# Allegro board 038RT-9068CJK8E-A100_0921_1.brd (continued)
## Routing (per net, layer and track width the routed paths; a pad name or vN(x,y) marks a point on that pad's centre or on a via; arc(x,y) is an arc through that point) (continued)
SG1_U1_FE_MDI-: length 114.1
  TOP w0.105: 640.03,121.29 640.03,120.5
  TOP w0.115: UNK1T13.9 641.07,119.46 640.03,120.5 ; v1(640.13,121.39) 640.03,121.29
  L07_SIGNAL w0.1: v1(604.4,208.62) 604.8,208.22 605.43,208.22 605.55,208.1 605.64,208.01 606.15,208.01 611.29,202.88 612.47,202.88 618.34,197 618.34,192.64 621.23,189.76 621.23,187.1 626.2,182.13 626.2,127.23 632.81,120.62 635.97,120.62 638.33,122.98 639.2,122.98 639.98,122.21 639.98,121.54 v1(640.13,121.39)
SG1_U1_FE_MDIX+: length 118.8
  TOP w0.105: 633.21,121.29 633.21,120.5
  TOP w0.115: UNK1T13.16 632.18,119.46 633.21,120.5 ; v1(633.12,121.39) 633.21,121.29
  L07_SIGNAL w0.1: v1(605.2,208.62) 605.41,208.84 606.91,208.84 610.43,205.32 619.37,205.32 627.74,196.95 627.74,130.79 630.16,128.37 637.12,128.37 637.59,127.9 637.59,124.4 636.76,123.56 636.14,123.56 636.04,123.66 636.04,123.73 635.94,123.83 635.74,123.83 635.64,123.73 635.64,123.66 635.54,123.56 635.34,123.56 635.24,123.66 635.24,123.73 635.14,123.83 634.94,123.83 634.84,123.73 634.84,123.66 634.74,123.56 634.33,123.56 633.26,122.49 633.26,121.54 v1(633.12,121.39)
SG1_U1_FE_MDIX-: length 118.8
  TOP w0.105: 633.68,121.29 633.68,120.5
  TOP w0.115: 633.68,120.5 634.72,119.46 UNK1T13.14 ; v1(633.78,121.39) 633.68,121.29
  L07_SIGNAL w0.1: v1(605.2,209.42) 605.41,209.2 607.06,209.2 610.58,205.68 619.52,205.68 628.11,197.1 628.11,130.94 630.31,128.73 637.27,128.73 637.96,128.05 637.96,124.25 636.91,123.2 634.48,123.2 633.63,122.34 633.63,121.54 v1(633.78,121.39)
SG1_U2_FE_MDI+: length 105.4
  TOP w0.105: 639.56,106.5 639.56,107.29
  TOP w0.115: v1(639.47,106.4) 639.56,106.5 ; UNK1T13.6 638.53,108.32 639.56,107.29
  L40_SIGNAL w0.1: v1(639.47,106.4) 639.61,106.55 639.61,107.06 640.1,107.55 644.35,107.55 648.41,103.49 648.41,78.78 643.39,73.76 643.39,34.54 645.24,32.7 653.9,32.7 655.27,34.07 655.27,36.09 655.65,36.46 656.21,36.46 v1(656.41,36.66)
  BOTTOM w0.105: UNK1U6.27 659.01,36.52 656.56,36.52 v1(656.41,36.66)
SG1_U2_FE_MDI-: length 105.4
  TOP w0.105: 640.03,106.5 640.03,107.29
  TOP w0.115: 640.03,107.29 641.07,108.32 UNK1T13.8 ; v1(640.13,106.4) 640.03,106.5
  L40_SIGNAL w0.1: v1(656.41,35.9) 656.21,36.1 655.8,36.1 655.64,35.94 655.64,35.32 655.74,35.22 655.96,35.22 656.06,35.12 656.06,34.92 655.96,34.82 655.74,34.82 655.64,34.72 655.64,33.92 654.05,32.34 645.09,32.34 643.03,34.39 643.03,73.91 648.05,78.93 648.05,103.33 644.19,107.19 640.25,107.19 639.98,106.91 639.98,106.55 v1(640.13,106.4)
  BOTTOM w0.105: v1(656.41,35.9) 656.56,36.05 659.01,36.05 UNK1U6.28
SG1_U2_FE_MDIX+: length 101.5
  TOP w0.105: 633.21,106.5 633.21,107.29
  TOP w0.115: 633.21,107.29 632.18,108.32 UNK1T13.1 ; v1(633.12,106.4) 633.21,106.5
  L40_SIGNAL w0.1: v1(656.41,39.66) 656.19,39.45 655.69,39.45 655.38,39.75 655.38,42.46 654.03,43.82 652.49,43.82 651.41,44.9 651.41,47.03 650.63,47.81 648.13,47.81 647.04,48.9 647.04,71.44 650.7,75.1 650.7,105.43 646.71,109.42 635.45,109.42 633.27,107.25 633.27,106.56 v1(633.12,106.4)
  BOTTOM w0.105: v1(656.41,39.66) 656.56,39.52 659.01,39.52 UNK1U6.21
SG1_U2_FE_MDIX-: length 101.5
  TOP w0.105: 633.68,106.5 633.68,107.29
  TOP w0.115: UNK1T13.3 634.72,108.32 633.68,107.29 ; v1(633.78,106.4) 633.68,106.5
  L40_SIGNAL w0.1: v1(633.78,106.4) 633.63,106.54 633.63,107.1 635.6,109.06 646.56,109.06 650.34,105.28 650.34,75.25 646.68,71.59 646.68,48.74 647.98,47.45 650.48,47.45 651.04,46.88 651.04,44.75 652.34,43.45 653.87,43.45 655.02,42.31 655.02,41.68 654.92,41.58 654.69,41.58 654.59,41.48 654.59,41.28 654.69,41.18 654.92,41.18 655.02,41.08 655.02,39.6 655.54,39.08 656.23,39.08 v1(656.41,38.9)
  BOTTOM w0.105: v1(656.41,38.9) 656.56,39.05 659.01,39.05 UNK1U6.22
SG1_U3_FE_MDI+: length 49.4
  BOTTOM w0.105: UNK1U6.39 651.3,37.02 649.9,37.02 648.83,35.94 648.83,33.96 655.46,27.33 662.93,27.33 663.99,28.38 663.99,33.9 664.31,34.22 666.2,34.22 666.38,34.04 666.38,28.21 667.27,27.33 674.63,27.33 675.58,28.28 675.58,29.2
  BOTTOM w0.115: UNK1CON3.1 675.58,29.2
SG1_U3_FE_MDI-: length 49.4
  BOTTOM w0.105: UNK1U6.38 651.3,36.55 650.1,36.55 649.29,35.75 649.29,34.15 655.65,27.79 662.74,27.79 663.52,28.57 663.52,34.09 664.12,34.68 666.4,34.68 666.84,34.23 666.84,28.41 667.46,27.79 674.44,27.79 675.12,28.47 675.12,30.09
  BOTTOM w0.115: UNK1CON3.2 673.94,30.12 674.21,30.38 674.83,30.38 675.12,30.09
SG1_U3_FE_MDIX+: length 48.5
  BOTTOM w0.105: UNK1U6.45 651.3,40.02 649.47,40.02 647.09,37.64 647.09,31.95 655.36,23.69 663.43,23.69 664.87,22.25 674.63,22.25 675.44,23.06 675.44,26.52
  BOTTOM w0.115: UNK1CON3.3 675.44,26.52
SG1_U3_FE_MDIX-: length 48.5
  BOTTOM w0.105: 674.98,24.83 674.98,23.25 674.44,22.71 665.06,22.71 663.62,24.15 655.55,24.15 647.56,32.14 647.56,37.44 649.67,39.55 651.3,39.55 UNK1U6.44
  BOTTOM w0.115: 674.98,24.83 674.79,25.02 672.51,25.02 672.24,24.75 672.24,24.02 672.51,23.75 UNK1CON3.6
SG1_U4_GIGA_MDI+: length 14.1
  TOP w0.105: UNK1GPHY2.1 671.64,237.89 670.42,237.89 667.18,234.65 667.18,231.6 666.69,231.1 665.69,231.1 v1(665.59,231.01)
  BOTTOM w0.105: v1(665.59,231.01) 665.49,231.1 665.23,231.1 664.47,230.35 663.54,230.35 UNK1K145.3
SG1_U4_GIGA_MDI-: length 14.1
  TOP w0.105: v1(665.59,231.67) 665.69,231.57 666.49,231.57 666.72,231.79 666.72,234.84 670.23,238.36 671.64,238.36 UNK1GPHY2.2
  BOTTOM w0.105: v1(665.59,231.67) 665.49,231.57 665.04,231.57 664.28,230.81 663.54,230.81 UNK1K145.2
SG1_VBAT:
  vias: v1(600.4,208.62) v2(623.43,207.34) v2(625.97,207.34) v2(627.24,207.34) v2(628.51,207.34) v2(630.54,207.34) v2(631.81,207.34) v2(633.08,207.34)
SG1_VDC: length 4.4
  TOP w0.508: SG1_VDC.1 S1_PH_VBAT.2
SG1_VO09: length 25.4
  L05_SIGNAL w0.102: v1(600.4,211.02) 600.8,211.42 600.8,213.84
  L05_SIGNAL w0.105: 600.8,213.84 600.75,213.88 600.75,227.59 596.81,231.53 596.81,233.64 v2(596.12,234.33)
SG1_VSENSE: length 22.8
  L05_SIGNAL w0.102: v1(601.2,211.02) 601.6,211.42 601.6,213.84
  L05_SIGNAL w0.105: 601.6,213.84 601.64,213.88 601.64,227.67 v2(597.39,231.92)
SG1_WAKE: length 22.7
  L05_SIGNAL w0.102: v1(598,211.02) 597.6,211.42 597.6,213.84
  L05_SIGNAL w0.105: 597.6,213.84 597.6,216.08 596.75,216.93 596.75,228.04 593.58,231.2 v2(593.58,231.92)
SG1_WP: length 34.3
  L03_SIGNAL w0.102: v1(598,201.42) 598.4,201.02 598.4,198.7
  L03_SIGNAL w0.145: v1(626.58,193.59) 624.55,195.62 620.02,195.62 616.71,198.93 605.93,198.93 605.33,198.33 601.1,198.33 600.46,197.69 599.2,197.69 598.4,198.5 598.4,198.7
SG2_1_P0_MDI+: length 2.5
  TOP w0.105: 61.09,252.6 62.51,252.6 UNK2T2.1
  TOP w0.115: UNK2C180.1 61.09,252.6
SG2_1_P0_MDI-: length 2.6
  TOP w0.105: 61.09,252.13 62.39,252.13 UNK2T2.2
  TOP w0.115: UNK2C179.1 61.09,252.13
SG2_1_P1_MDI+: length 2.5
  TOP w0.105: 61.09,247.39 62.51,247.39 UNK2T3.1
  TOP w0.115: UNK2C184.1 61.09,247.39
SG2_1_P1_MDI-: length 2.6
  TOP w0.105: UNK2T3.2 62.39,246.92 61.09,246.92
  TOP w0.115: UNK2C183.1 61.09,246.92
SG2_1_P1_TXD0: length 93
  L15_SIGNAL w0.105: v1(278.85,284.9) 278.85,287.05 278.72,287.18 278.72,287.23 271,294.94 270.95,294.94 270.82,295.07 215.36,295.07 207.8,287.51 196.61,287.51 UNK2K225.4
  BOTTOM w0.115: v1(278.85,284.9) UNK2RR520.2
SG2_1_P1_TXD1: length 99.5
  L15_SIGNAL w0.105: v1(276.81,281.09) 277.59,281.87 277.59,286.26 271.45,292.4 218.5,292.4 213.32,287.22 213.32,282.72 210.66,280.06 197.97,280.06 UNK2K225.5
  BOTTOM w0.115: v1(276.81,281.09) UNK2RR521.2
SG2_1_P1_TXD2: length 77.1
  L13_SIGNAL w0.105: UNK2K226.4 217.65,293.3 272.48,293.3 v1(280.88,284.9)
  BOTTOM w0.115: v1(280.88,284.9) UNK2RR522.2
SG2_1_P1_TXD3: length 85.1
  L15_SIGNAL w0.105: v1(278.85,281.09) 278.16,281.78 278.16,287 270.77,294.38 216.54,294.38 211.82,289.67 211.82,284.28 UNK2K226.5
  BOTTOM w0.115: v1(278.85,281.09) UNK2RR523.2
SG2_1_P2_GIGA_MDI+: length 2.6
  TOP w0.105: UNK2C422.1 56.18,270.85 57.52,270.85 UNK2T24.1
SG2_1_P2_GIGA_MDI-: length 2.6
  TOP w0.105: UNK2T24.2 57.52,270.39 56.18,270.39 UNK2C421.1
SG2_1_P3_GIGA_MDI+: length 2.6
  TOP w0.105: UNK2C431.1 56.18,275.49 57.52,275.49 UNK2T25.1
SG2_1_P3_GIGA_MDI-: length 2.6
  TOP w0.105: UNK2C430.1 56.18,275.03 57.52,275.03 UNK2T25.2
SG2_1_P5_MDI+: length 2.5
  BOTTOM w0.105: UNK2T21.2 77.3,258.61 75.89,258.61
  BOTTOM w0.115: 75.89,258.61 UNK2C401.1
SG2_1_P5_MDI-: length 2.6
  BOTTOM w0.105: UNK2T21.1 77.19,258.14 75.89,258.14
  BOTTOM w0.115: 75.89,258.14 UNK2C405.1
SG2_1_P5_TXD0: length 47.4
  L09_SIGNAL w0.105: v1(115.62,281.52) 118.08,283.97 126.17,283.97 130.34,288.14 157.18,288.14 UNK2K227.4
  BOTTOM w0.115: v1(115.62,281.52) UNK2RR920.2
SG2_1_P5_TXD1: length 141.3
  L15_SIGNAL w0.105: v1(284.94,284.9) 284.46,285.38 284.46,290.08 275.21,299.33 212.69,299.33 204.09,290.73 167.23,290.73 UNK2K227.5
  BOTTOM w0.115: v1(284.94,284.9) UNK2RR921.2
SG2_1_P5_TXD2: length 124.1
  L15_SIGNAL w0.105: v1(282.91,281.09) 282.94,281.09 283.77,281.92 283.77,285.96 272.24,297.5 212.64,297.5 205.2,290.06 178.6,290.06 UNK2K228.4
  BOTTOM w0.115: v1(282.91,281.09) UNK2RR922.2
SG2_1_P6_MDI+: length 2.5
  BOTTOM w0.105: 75.89,263.31 77.3,263.31 UNK2T20.2
  BOTTOM w0.115: 75.89,263.31 UNK2C407.1
SG2_1_P6_MDI-: length 2.6
  BOTTOM w0.105: UNK2T20.1 77.19,262.84 75.89,262.84
  BOTTOM w0.115: 75.89,262.84 UNK2C402.1
SG2_2_P0_MDI+: length 121.6
  TOP w0.105: 58.46,252.6 58.19,252.6
  TOP w0.115: UNK2C180.2 58.46,252.6 ; 58.19,252.6 v1(57.72,253.07)
  L07_SIGNAL w0.1: v2(31.42,355.01) 31.62,354.81 36.75,354.81 41.57,350 41.57,307.94 56.38,293.13 56.38,252.99 56.83,252.55 57.62,252.55 57.72,252.65 v1(57.72,253.07)
  BOTTOM w0.105: UNK2U18.6 28.81,354.86 31.27,354.86 v2(31.42,355.01)
SG2_2_P0_MDI-: length 121.6
  TOP w0.105: 58.46,252.13 58.19,252.13
  TOP w0.115: UNK2C179.2 58.46,252.13 ; 58.19,252.13 v1(57.72,251.67)
  L07_SIGNAL w0.1: v2(31.42,354.25) 31.62,354.45 36.6,354.45 41.2,349.85 41.2,307.79 56.02,292.97 56.02,252.84 56.67,252.18 57.62,252.18 57.72,252.08 v1(57.72,251.67)
  BOTTOM w0.105: UNK2U18.7 28.81,354.4 31.27,354.4 v2(31.42,354.25)
SG2_2_P0_RC: length 3.9
  TOP w0.115: UNK2R6.1 UNK2C181.1 UNK2R139.2 UNK2R140.2
SG2_2_P1_MDI+: length 129.6
  TOP w0.105: 58.46,247.39 58.19,247.39
  TOP w0.115: UNK2C184.2 58.46,247.39 ; 58.19,247.39 v1(57.72,247.86)
  L07_SIGNAL w0.1: v2(26.17,352.01) 26.37,351.81 33.59,351.81 39.44,345.96 39.44,307.06 54.3,292.19 54.3,280.35 51.49,277.53 51.49,268.75 54.3,265.93 54.3,249.85 56.81,247.34 57.62,247.34 57.72,247.44 v1(57.72,247.86)
  BOTTOM w0.105: UNK2U18.12 28.78,351.86 26.32,351.86 v2(26.17,352.01)
SG2_2_P1_MDI-: length 129.6
  TOP w0.105: 58.46,246.92 58.19,246.92
  TOP w0.115: 58.19,246.92 v1(57.72,246.46) ; UNK2C183.2 58.46,246.92
  L07_SIGNAL w0.1: v2(26.17,351.25) 26.37,351.45 33.44,351.45 39.08,345.81 39.08,306.9 53.94,292.04 53.94,280.5 51.12,277.68 51.12,268.6 53.94,265.78 53.94,249.7 56.66,246.97 57.62,246.97 57.72,246.87 v1(57.72,246.46)
  BOTTOM w0.105: v2(26.17,351.25) 26.32,351.4 28.78,351.4 UNK2U18.13
SG2_2_P1_RC: length 3.9
  TOP w0.115: UNK2R142.2 UNK2R141.2 UNK2R7.1 UNK2C182.1
SG2_2_P2_GIGA_MDI+: length 21.4
  TOP w0.105: UNK2C422.2 53.55,270.85 53.28,270.85 v4(52.49,271.64)
  L03_SIGNAL w0.136: v1(47.86,282.51) 47.76,282.41 47.76,278.32 48.44,277.65 48.44,273.6 49.06,272.98 51.36,272.98 51.76,272.58 51.76,271.01 51.93,270.85 52.35,270.85 52.49,270.98 v4(52.49,271.64)
  BOTTOM w0.105: v1(47.86,282.51) 47.77,282.61 47.77,283.38 47.14,284 45.68,284 UNK2K144.15
SG2_2_P2_GIGA_MDI-: length 21.4
  TOP w0.105: UNK2C421.2 53.55,270.39 53.28,270.39 v4(52.49,269.6)
  L03_SIGNAL w0.136: v4(52.49,269.6) 52.49,270.26 52.35,270.39 51.74,270.39 51.31,270.83 51.31,272.39 51.17,272.53 48.87,272.53 47.98,273.41 47.98,277.46 47.31,278.13 47.31,282.41 v1(47.2,282.51)
  BOTTOM w0.105: UNK2K144.16 45.68,283.54 46.95,283.54 47.3,283.19 47.3,282.61 v1(47.2,282.51)
SG2_2_P2_RC: length 4.7
  TOP w0.115: UNK2R518.2 49.38,269.6 UNK2C427.1 UNK2R519.1 49.38,271.64 UNK2R517.2
SG2_2_P3_GIGA_MDI+: length 22.4
  TOP w0.105: v4(52.49,276.28) 53.28,275.49 53.54,275.49 UNK2C431.2
  L03_SIGNAL w0.136: v4(52.49,276.28) 52.49,275.62 52.35,275.49 51.89,275.49 51.74,275.64 51.74,278.18 51.99,278.43 51.99,287.55 51.05,288.5 48.55,288.5 v1(48.44,288.6)
  BOTTOM w0.105: v1(48.44,288.6) 48.34,288.5 45.68,288.5 UNK2K144.6
SG2_2_P3_GIGA_MDI-: length 22.4
  TOP w0.105: v4(52.49,274.24) 53.28,275.03 53.54,275.03 UNK2C430.2
  L03_SIGNAL w0.136: v4(52.49,274.24) 52.49,274.9 52.35,275.03 51.7,275.03 51.29,275.45 51.29,278.37 51.54,278.62 51.54,287.37 50.86,288.04 48.55,288.04 v1(48.44,287.94)
  BOTTOM w0.105: UNK2K144.7 45.68,288.04 48.34,288.04 v1(48.44,287.94)
SG2_2_P3_RC: length 4.7
  TOP w0.115: UNK2R536.2 49.38,276.28 UNK2R538.1 UNK2C436.1 49.38,274.24 UNK2R537.2
SG2_2_P5_MDI+: length 150.9
  L07_SIGNAL w0.1: v2(31.42,349.01) 31.62,348.81 33.85,348.81 36.8,345.86 36.8,304.76 51.66,289.9 51.66,282.27 48.74,279.34 48.74,244.9 49.59,244.05 57.71,244.05 61.54,247.89 61.54,249.56 70.54,258.56 72.42,258.56 72.52,258.66 v1(72.52,259.07)
  BOTTOM w0.105: 72.98,258.61 73.25,258.61 ; UNK2U18.18 28.81,348.86 31.27,348.86 v2(31.42,349.01)
  BOTTOM w0.115: v1(72.52,259.07) 72.98,258.61 ; 73.25,258.61 UNK2C401.2
SG2_2_P5_MDI-: length 150.9
  L07_SIGNAL w0.1: v1(72.52,257.67) 72.52,258.09 72.42,258.19 70.69,258.19 61.91,249.41 61.91,247.74 57.86,243.68 49.44,243.68 48.37,244.75 48.37,279.49 51.29,282.42 51.29,289.75 36.43,304.61 36.43,345.71 33.7,348.45 31.62,348.45 v2(31.42,348.25)
  BOTTOM w0.105: v2(31.42,348.25) 31.27,348.4 28.81,348.4 UNK2U18.19 ; 72.98,258.14 73.25,258.14
  BOTTOM w0.115: 73.25,258.14 UNK2C405.2 ; v1(72.52,257.67) 72.98,258.14
SG2_2_P5_RC: length 3.9
  BOTTOM w0.115: UNK2R9.1 UNK2C406.1 UNK2R474.2 UNK2R470.2
SG2_2_P6_MDI+: length 164.6
  L07_SIGNAL w0.1: v2(26.17,347.51) 25.97,347.31 25.42,347.31 25.06,346.96 25.06,341.85 27.01,339.89 31.43,339.89 33.62,337.7 33.62,301.43 41.9,293.15 41.9,283.9 44.34,281.46 44.34,245.36 47.72,241.98 59.43,241.98 75.02,257.58 75.02,262.6 74.37,263.25 72.62,263.25 72.52,263.35 v1(72.52,263.77)
  BOTTOM w0.105: v2(26.17,347.51) 26.32,347.36 28.78,347.36 UNK2U18.21 ; 72.98,263.31 73.25,263.31
  BOTTOM w0.115: 73.25,263.31 UNK2C407.2 ; v1(72.52,263.77) 72.98,263.31
SG2_2_P6_MDI-: length 164.6
  L07_SIGNAL w0.1: v2(26.17,346.75) 25.97,346.95 25.57,346.95 25.42,346.8 25.42,345.66 25.54,345.54 26.04,345.54 26.16,345.42 26.16,345.26 26.04,345.14 25.54,345.14 25.42,345.02 25.42,344.86 25.54,344.74 26.04,344.74 26.16,344.62 26.16,344.46 26.04,344.34 25.54,344.34 25.42,344.22 25.42,342 27.16,340.26 31.58,340.26 33.98,337.86 33.98,301.58 42.26,293.3 42.26,284.05 44.7,281.61 44.7,245.51 47.87,242.35 59.28,242.35 74.66,257.73 74.66,262.45 74.21,262.89 72.62,262.89 72.52,262.79 v1(72.52,262.37)
  BOTTOM w0.105: UNK2U18.22 28.78,346.9 26.32,346.9 v2(26.17,346.75) ; 72.98,262.84 73.25,262.84
  BOTTOM w0.115: v1(72.52,262.37) 72.98,262.84 ; 73.25,262.84 UNK2C402.2
SG2_2_P6_RC: length 3.9
  BOTTOM w0.115: UNK2R19.1 UNK2C399.1 UNK2R475.2 UNK2R473.2
SG2_3_P2_GIGA_MDI+: length 25.4
  BOTTOM w0.105: UNK2K144.27 41.66,285.5 39.32,285.5 38.76,284.94 37.31,284.94 36.65,284.27 36.65,274.53 36.35,274.23 34.91,274.23 34.53,274.62 34.53,278.63 34,279.15 31.08,279.15 UNK2K145.33
SG2_3_P2_GIGA_MDI-: length 25.4
  BOTTOM w0.105: UNK2K145.34 31.08,278.69 33.81,278.69 34.06,278.43 34.06,274.43 34.72,273.77 36.55,273.77 37.11,274.34 37.11,284.08 37.51,284.47 38.95,284.47 39.52,285.04 41.66,285.04 UNK2K144.26
SG2_3_P3_GIGA_MDI+: length 28.1
  L46_SIGNAL w0.136: v3(33.01,277.25) 33.11,277.15 33.85,277.15 35.97,279.26 35.97,284.87 33.62,287.22 33.62,291.18 34.42,291.99 37.38,291.99 v3(37.49,292.09)
  BOTTOM w0.105: UNK2K145.37 31.08,277.15 32.91,277.15 v3(33.01,277.25) ; v3(37.49,292.09) 37.59,291.99 38.27,291.99 40.26,290 41.66,290 UNK2K144.36
SG2_3_P3_GIGA_MDI-: length 28.1
  L46_SIGNAL w0.136: v3(37.49,291.43) 37.38,291.54 34.61,291.54 34.07,290.99 34.07,287.41 36.42,285.05 36.42,279.08 34.04,276.69 33.11,276.69 v3(33.01,276.59)
  BOTTOM w0.105: v3(37.49,291.43) 37.59,291.53 38.08,291.53 40.07,289.54 41.66,289.54 UNK2K144.35 ; UNK2K145.38 31.08,276.69 32.91,276.69 v3(33.01,276.59)
SG2_3PI_P0_MDI+: length 72
  L11_SIGNAL w0.1: UNK2MQS1.6 4.26,343.89 4.16,343.99 2.71,343.99 2.07,344.64 2.07,351.9 2.87,352.71 10.93,352.71 13.04,354.82 13.04,365.19 13.82,365.98 26.21,365.98 27.36,364.83 27.36,361.59 26.43,360.66 16.81,360.66 16.59,360.44 16.59,356.1 16.88,355.81 18.26,355.81 v2(18.46,356.01)
  BOTTOM w0.105: UNK2U18.61 21.07,355.86 18.61,355.86 v2(18.46,356.01)
SG2_3PI_P0_MDI-: length 72
  L11_SIGNAL w0.1: UNK2MQS1.7 4.26,344.45 4.16,344.35 2.87,344.35 2.43,344.79 2.43,351.75 3.02,352.34 8.33,352.34 8.5,352.17 8.5,352.01 8.68,351.84 8.93,351.84 9.1,352.01 9.1,352.17 9.28,352.34 9.53,352.34 9.71,352.17 9.71,352.01 9.88,351.84 10.13,351.84 10.31,352.01 10.31,352.17 10.48,352.34 11.08,352.34 11.32,352.59 12.66,353.92 13.4,354.67 13.4,365.04 13.97,365.61 26.06,365.61 26.99,364.68 26.99,361.74 26.28,361.02 16.66,361.02 16.23,360.59 16.23,355.95 16.73,355.45 18.26,355.45 v2(18.46,355.25)
  BOTTOM w0.105: UNK2U18.60 21.07,355.4 18.61,355.4 v2(18.46,355.25)
SG2_3PI_P1_MDI+: length 54.4
  L11_SIGNAL w0.1: v2(18.46,353.01) 18.66,352.81 21.1,352.81 21.47,352.44 21.47,345.9 24.24,343.13 24.24,340.96 23.73,340.44 21.9,340.44 21.32,341.02 15.74,341.02 15.2,341.57 15.2,348.31 14.96,348.56 10.02,348.56 9.64,348.18 9.64,347.06 9.97,346.74 12.25,346.74 12.78,346.21 12.78,344.44 12.32,343.99 6.9,343.99 6.8,343.89 UNK2MQS1.15
  BOTTOM w0.105: v2(18.46,353.01) 18.61,352.86 21.07,352.86 UNK2U18.55
SG2_3PI_P1_MDI-: length 54.4
  L11_SIGNAL w0.1: v2(18.46,352.25) 18.66,352.45 20.95,352.45 21.11,352.29 21.11,345.75 23.88,342.98 23.88,341.11 23.58,340.81 22.05,340.81 21.47,341.39 15.89,341.39 15.56,341.72 15.56,348.46 15.11,348.92 9.87,348.92 9.28,348.33 9.28,346.91 9.81,346.38 12.1,346.38 12.41,346.06 12.41,344.59 12.17,344.35 11,344.35 10.83,344.53 10.83,344.68 10.65,344.86 10.4,344.86 10.23,344.68 10.23,344.53 10.05,344.35 9.8,344.35 9.63,344.53 9.63,344.68 9.45,344.86 9.2,344.86 9.03,344.68 9.03,344.53 8.85,344.35 6.9,344.35 6.8,344.45 UNK2MQS1.16
  BOTTOM w0.105: UNK2U18.54 21.07,352.4 18.61,352.4 v2(18.46,352.25)
SG2_3PI_P5_MDI+: length 67.4
  L13_SIGNAL w0.1: v2(18.46,350.01) 18.26,349.81 17.01,349.81 16.61,350.21 16.61,357.1 17.56,358.05 25.78,358.05 26.23,358.5 26.23,360.5 25.9,360.83 10.83,360.83 9.9,359.9 9.9,354.37 10.46,353.81 12.68,353.81 12.84,353.65 12.84,352.81 12.72,352.68 2.6,352.68 2.12,352.2 2.12,349.53 2.58,349.07 4.16,349.07 4.26,348.97 UNK2MQS1.8
  BOTTOM w0.105: v2(18.46,350.01) 18.61,349.86 21.07,349.86 UNK2U18.49
SG2_3PI_P5_MDI-: length 67.4
  L13_SIGNAL w0.1: v2(18.46,349.25) 18.26,349.45 16.86,349.45 16.25,350.06 16.25,357.25 17.41,358.41 25.63,358.41 25.87,358.65 25.87,360.35 25.75,360.47 10.98,360.47 10.26,359.75 10.26,354.52 10.61,354.18 12.83,354.18 13.21,353.8 13.21,352.66 12.87,352.32 11.66,352.32 11.49,352.14 11.49,351.99 11.31,351.81 11.06,351.81 10.89,351.99 10.89,352.14 10.71,352.32 10.46,352.32 10.28,352.14 10.28,351.99 10.11,351.81 9.86,351.81 9.68,351.99 9.68,352.14 9.51,352.32 2.75,352.32 2.49,352.05 2.49,349.68 2.73,349.43 4.16,349.43 4.26,349.53 UNK2MQS1.9
  BOTTOM w0.105: v2(18.46,349.25) 18.61,349.4 21.07,349.4 UNK2U18.48
SG2_3PI_P6_MDI+: length 54.9
  L13_SIGNAL w0.1: v2(17.32,347.33) 17.52,347.13 20.66,347.13 21.26,346.53 21.26,341.78 20.58,341.1 12.03,341.1 11.64,340.71 11.64,337.28 11.26,336.91 9.73,336.91 9.2,337.43 9.2,343.48 9.93,344.2 15.57,344.2 15.79,344.41 15.79,345.24 15.51,345.52 12.72,345.52 9.18,349.07 6.9,349.07 6.8,348.97 UNK2MQS1.17
  BOTTOM w0.105: UNK2U18.45 21.07,347.86 19.99,347.86 19.3,347.18 17.47,347.18 v2(17.32,347.33)
SG2_3PI_P6_MDI-: length 54.9
  L13_SIGNAL w0.1: v2(17.32,346.56) 17.52,346.76 20.51,346.76 20.89,346.38 20.89,341.93 20.43,341.46 11.88,341.46 11.27,340.86 11.27,337.43 11.11,337.27 9.88,337.27 9.57,337.58 9.57,343.33 10.08,343.83 15.72,343.83 16.15,344.26 16.15,345.4 15.66,345.89 12.88,345.89 11.51,347.25 11.51,347.5 11.62,347.61 11.62,347.85 11.44,348.04 11.2,348.04 11.09,347.92 10.84,347.92 10.66,348.1 10.66,348.35 10.77,348.46 10.77,348.71 10.6,348.88 10.35,348.88 10.24,348.77 9.99,348.77 9.33,349.43 6.9,349.43 6.8,349.53 UNK2MQS1.18
  BOTTOM w0.105: v2(17.32,346.56) 17.47,346.71 19.49,346.71 20.18,347.4 21.07,347.4 UNK2U18.44
SG2_AT+: length 20.5
  L05_SIGNAL w0.1: v1(70.02,279.71) 70.38,279.71 70.48,279.61 70.48,278.85 71.07,278.25 75.47,278.25 82.88,270.84 84.66,270.84
  L05_SIGNAL w0.102: 84.66,270.84 84.66,270.84 84.8,270.84 85.02,270.62 85.8,270.62 v1(86.2,270.22)
SG2_AT-: length 20.5
  L05_SIGNAL w0.1: v1(71.29,279.71) 70.94,279.71 70.84,279.61 70.84,279 71.22,278.62 71.75,278.62 71.87,278.73 71.87,278.94 71.98,279.05 72.15,279.05 72.27,278.94 72.27,278.73 72.38,278.62 75.62,278.62 83.03,271.2 84.66,271.2
  L05_SIGNAL w0.102: v1(86.2,271.02) 85.8,271.42 85.02,271.42 84.8,271.2 84.66,271.2
SG2_AVDD09: length 17.7
  L07_SIGNAL w0.508: v2(121.14,250.5) 119.77,250.5 109.13,261.13 v1(107.85,261.13)
  vias: v1(85.4,264.62) v1(87,270.22) v1(87.8,271.02) v1(87.8,270.22) v1(87.8,264.62) v1(88.6,271.02) v1(88.6,270.22) v1(88.6,262.22) v1(88.6,261.42) v1(89.4,268.62) v1(89.4,267.82) v1(97.4,269.42) v1(97.4,268.62) v1(98.2,267.82) v1(98.2,263.82) v1(99,267.02) v1(99,266.22) v1(99,265.42) v1(99,264.62) v1(99,262.22) v1(99,261.42) v1(107.21,261.13)
SG2_AVDD33: length 18.4
  TOP w0.508: v1(97.09,254.38) 96.18,253.46 96.18,244.85 91.93,240.6 SG2_AVDD33.1
  vias: v1(86.2,272.62) v1(86.2,271.82) v1(86.2,269.42) v1(86.2,268.62) v1(86.2,267.82) v1(87,261.42) v1(87.8,263.82) v1(87.8,263.02) v1(87.8,262.22) v1(87.8,261.42) v1(88.6,267.02) v1(88.6,263.82) v1(88.6,263.02) v1(89.4,271.02) v1(89.4,270.22) v1(89.4,264.62) v1(90.2,271.02) v1(90.2,270.22) v1(90.2,262.22) v1(97.09,255.01) v1(97.4,271.02) v1(97.4,270.22) v1(97.4,266.22) v1(97.4,265.42) v1(99,271.02)
SG2_AVDD33_MOSFET: length 16.8
  TOP w0.508: v1(91.36,254.38) 90.03,253.04 SG2_AVDD33_MOSFET.1
  vias: v1(91.36,255.01) v1(91.8,262.22)
SG2_C_P4_HSI+: length 6.4
  BOTTOM w0.105: UNK2CS64.1 130.49,285.69 130.59,285.8 132.48,285.8 132.84,285.44 132.84,284.46 134.01,283.3 135.01,283.3 UNK2K184.35
SG2_C_P4_HSI-: length 6.4
  BOTTOM w0.105: UNK2CS63.1 130.49,286.37 130.59,286.26 132.67,286.26 133.3,285.63 133.3,284.65 134.2,283.76 135.01,283.76 UNK2K184.36
SG2_C_P4_HSO+: length 7.7
  BOTTOM w0.105: UNK2K184.37 135.01,284.3 134.3,284.3 133.85,284.75 133.85,286.83 132.37,288.31 130.59,288.31 130.49,288.2 UNK2CS62.1
SG2_C_P4_HSO-: length 7.7
  BOTTOM w0.105: UNK2CS61.1 130.49,288.88 130.59,288.77 132.57,288.77 134.31,287.03 134.31,284.94 134.5,284.76 135.01,284.76 UNK2K184.38
SG2_C_P5_HSI+: length 5.7
  BOTTOM w0.105: UNK2CS74.1 130.49,276.68 130.59,276.78 131.36,276.78 133.37,278.8 135.01,278.8 UNK2K184.26
SG2_C_P5_HSI-: length 5.7
  BOTTOM w0.105: UNK2CS73.1 130.49,277.35 130.59,277.25 131.17,277.25 133.18,279.26 135.01,279.26 UNK2K184.27
SG2_C_P5_HSO+: length 5
  BOTTOM w0.105: UNK2CS72.1 130.49,279.19 130.59,279.29 131.63,279.29 132.14,279.8 135.01,279.8 UNK2K184.28
SG2_C_P5_HSO-: length 5
  BOTTOM w0.105: UNK2CS71.1 130.49,279.86 130.59,279.76 131.44,279.76 131.94,280.26 135.01,280.26 UNK2K184.29
SG2_C_P6_HSI+: length 3.4
  BOTTOM w0.14: UNK2CS107.1 131.97,263.21 132.11,263.07 134.97,263.07 UNK2K217.27
SG2_C_P6_HSI-: length 3.4
  BOTTOM w0.14: UNK2CS108.1 131.97,262.54 132.11,262.68 134.97,262.68 UNK2K217.26
SG2_C_P6_HSO+: length 109.1
  TOP w0.14: v1(224.1,245.49) 224.02,245.57 arc(223.96,245.61) 223.88,245.63 221.34,245.63 arc(221.22,245.6) 221.12,245.54 220.96,245.38 arc(220.73,245.22) 220.47,245.17 216.36,245.17 arc(216.09,245.22) 215.86,245.38 213.07,248.17 arc(212.97,248.24) 212.85,248.26 133.94,248.26 arc(133.67,248.31) 133.44,248.47 125.5,256.41 arc(125.4,256.48) 125.28,256.5 124.17,256.5 arc(123.93,256.45) 123.73,256.32 UNK2CS102.1
  BOTTOM w0.14: v1(224.1,245.49) 224.24,245.63 224.69,245.63 225.94,246.88 227.01,246.88 UNK2K214.26
SG2_C_P6_HSO-: length 109.1
  TOP w0.14: UNK2CS101.1 123.73,257.08 arc(123.93,256.94) 124.17,256.89 125.28,256.89 arc(125.55,256.84) 125.78,256.69 133.72,248.74 arc(133.82,248.68) 133.94,248.65 212.85,248.65 arc(213.11,248.6) 213.34,248.45 216.14,245.65 arc(216.24,245.58) 216.36,245.56 220.47,245.56 arc(220.58,245.59) 220.69,245.65 220.84,245.81 arc(221.07,245.96) 221.34,246.02 223.88,246.02 arc(223.96,246.03) 224.02,246.08 v1(224.1,246.15)
  BOTTOM w0.14: v1(224.1,246.15) 224.24,246.02 224.53,246.02 225.78,247.27 227.01,247.27 UNK2K214.27
SG2_C_P7_HSI+: length 4.8
  BOTTOM w0.14: UNK2K217.29 134.97,264.07 133.6,264.07 133.18,264.48 133.18,265.53 132.78,265.93 132.11,265.93 131.97,266.07 UNK2CS117.1
SG2_C_P7_HSI-: length 4.8
  BOTTOM w0.14: UNK2CS118.1 131.97,265.4 132.11,265.54 132.62,265.54 132.79,265.37 132.79,264.32 133.44,263.68 134.97,263.68 UNK2K217.28
SG2_C_P7_HSO+: length 108.5
  TOP w0.14: UNK2CS112.1 123.73,258.82 arc(123.93,258.96) 124.17,259.01 125.64,259.01 arc(125.76,258.99) 125.86,258.92 130.18,254.61 arc(130.4,254.45) 130.67,254.4 213.15,254.4 arc(213.27,254.38) 213.37,254.31 219.85,247.83 arc(220.08,247.68) 220.34,247.63 223.88,247.63 arc(223.96,247.61) 224.02,247.57 v1(224.1,247.49)
  BOTTOM w0.14: v1(224.1,247.49) 224.24,247.63 225.59,247.63 225.84,247.88 227.01,247.88 UNK2K214.28
